# Allegro board SG2042_EVB_V1_1.brd (continued)
## Routing (per net, layer and track width the routed paths; a pad name or vN(x,y) marks a point on that pad's centre or on a via; arc(x,y) is an arc through that point) (continued)
DDR0_DQ60: length 67.8
  TOP w0.16: U1.BP51 v1(160.97,80.15)
  ART03 w0.089: 163.54,77.74 161.8,77.74 161.57,77.97 161.57,79.55 v1(160.97,80.15)
  ART03 w0.168: 163.54,77.74 164.61,76.67 168.35,72.93 170.07,72.93 177.09,65.9 177.09,63.11 177.71,62.49 177.95,62.49 178.4,62.94 178.64,62.94 178.93,62.65 178.93,62.41 178.48,61.96 178.48,61.72 178.78,61.42 179.01,61.42 179.47,61.88 179.7,61.88 180,61.58 180,61.34 179.55,60.89 179.55,60.65 179.84,60.35 180.08,60.35 180.53,60.81 180.77,60.81 181.07,60.51 181.07,60.27 180.61,59.82 180.61,59.58 183.62,56.58 186.88,56.58 187.05,56.75 187.05,57.59 187.21,57.76 187.63,57.76 187.8,57.59 187.8,56.75 187.97,56.58 188.39,56.58 188.56,56.75 188.56,57.59 188.72,57.76 189.14,57.76 189.31,57.59 189.31,56.75 189.48,56.58 195.08,56.58 arc(195.4,56.51) 195.67,56.33 196.08,55.92 arc(196.3,55.78) 196.55,55.73 196.95,55.73 arc(197.27,55.79) 197.54,55.97 197.85,56.29 arc(198.13,56.47) 198.45,56.53 198.92,56.53 arc(199.24,56.47) 199.51,56.29 199.88,55.92 arc(200.1,55.78) 200.35,55.73 201.09,55.73 arc(201.41,55.79) 201.68,55.97 202.04,56.33 arc(202.32,56.51) 202.64,56.58 205.58,56.58 arc(205.79,56.54) J1.128
DDR0_DQ61: length 66.8
  TOP w0.16: U1.BR51 v1(160.97,79.15)
  ART03 w0.089: v1(160.97,79.15) 161.38,78.74 161.38,77.89 161.72,77.55 162.9,77.55 163.11,77.34
  ART03 w0.168: 163.11,77.34 163.78,76.67 164.02,76.42 164.02,76.42 168.1,72.34 169.82,72.34 175.18,66.99 175.18,66.75 174.02,65.59 174.02,65.35 174.31,65.06 174.55,65.06 175.71,66.22 175.95,66.22 176.24,65.92 176.24,65.68 175.08,64.52 175.08,64.29 175.38,63.99 175.62,63.99 175.95,64.32 176.19,64.32 176.48,64.03 176.48,63.79 176.15,63.46 176.15,63.22 183.38,55.99 194.4,55.99 194.68,56.27 194.98,56.27 arc(195.23,56.22) 195.44,56.07 195.85,55.66 arc(196.13,55.48) 196.45,55.41 197.28,55.41 arc(197.6,55.48) 197.87,55.66 198.28,56.07 arc(198.5,56.22) 198.75,56.27 198.78,56.27 arc(199.03,56.22) 199.24,56.07 199.65,55.66 arc(199.93,55.48) 200.25,55.41 202.08,55.41 arc(202.4,55.48) 202.67,55.66 203.03,56.02 arc(203.31,56.2) 203.63,56.27 204.54,56.27 arc(204.87,56.2) 205.14,56.02 205.34,55.82 arc(205.61,55.64) 205.93,55.57 J1.273
DDR0_DQ62: length 67.8
  TOP w0.16: U1.BT48 v1(157.97,78.15)
  ART03 w0.168: J1.135 203.78,50.47 arc(203.46,50.41) 203.18,50.23 202.4,49.45 arc(202.13,49.26) 201.81,49.2 201.18,49.2 arc(201.02,49.17) 200.88,49.08 200.86,49.05 arc(200.72,48.96) 200.56,48.93 200.35,48.93 arc(200.1,48.98) 199.88,49.12 199.47,49.53 arc(199.2,49.71) 198.88,49.78 198.05,49.78 arc(197.73,49.71) 197.45,49.53 197.04,49.12 arc(196.83,48.98) 196.58,48.93 196.55,48.93 arc(196.3,48.98) 196.08,49.12 195.87,49.33 195.87,49.34 195.64,49.57 arc(195.41,49.72) 195.13,49.78 194.95,49.78 arc(194.7,49.83) 194.48,49.97 194.22,50.23 192.14,50.23 191.98,50.07 191.98,49.6 191.81,49.43 191.39,49.43 191.22,49.6 191.22,50.07 191.05,50.23 190.63,50.23 190.47,50.07 190.47,49.6 190.3,49.43 189.88,49.43 189.71,49.6 189.71,50.07 189.54,50.23 189.13,50.23 188.96,50.07 188.96,49.6 188.79,49.43 188.37,49.43 188.2,49.6 188.2,50.07 188.04,50.23 187.62,50.23 187.45,50.07 187.45,49.6 187.28,49.43 186.86,49.43 186.69,49.6 186.69,50.07 186.53,50.23 186.11,50.23 185.94,50.07 185.94,49.6 185.77,49.43 185.35,49.43 185.19,49.6 185.19,50.07 185.02,50.23 183.37,50.23 164.09,69.51 164.09,70.58 157.97,76.7 v1(157.97,78.15)
DDR0_DQ63: length 70.2
  TOP w0.16: U1.BR47 v1(156.97,79.15)
  ART03 w0.168: v1(156.97,79.15) 157.45,78.66 157.45,76.39 163.5,70.34 163.5,69.26 183.93,48.84 193.34,48.84 193.85,49.35 194.56,49.35 194.68,49.46 194.98,49.46 arc(195.23,49.42) 195.44,49.27 195.85,48.86 arc(196.13,48.68) 196.45,48.62 197.28,48.62 arc(197.6,48.68) 197.87,48.86 198.28,49.27 arc(198.5,49.42) 198.75,49.46 198.78,49.46 arc(199.03,49.42) 199.24,49.27 199.46,49.06 199.46,49.06 199.69,48.82 arc(199.92,48.67) 200.19,48.62 200.53,48.62 arc(200.7,48.58) 200.84,48.49 200.86,48.46 arc(201,48.37) 201.17,48.34 202.24,48.34 arc(202.56,48.4) 202.84,48.58 203.66,49.4 arc(203.9,49.56) 204.19,49.62 204.42,49.62 arc(204.71,49.56) 204.96,49.4 205.34,49.02 arc(205.61,48.84) 205.93,48.77 206.29,48.77 arc(206.61,48.84) 206.88,49.02 207.24,49.38 arc(207.51,49.56) 207.83,49.62 J1.280
DDR0_DQS0_N: length 97.4
  TOP w0.14: U1.AK53 v1(162.97,104.15)
  BOTTOM w0.109: 167.46,106.6 167.46,106.58 167.52,106.52 167.52,106.1 166.17,104.75 163.38,104.75 163.15,104.53 163.15,104.32 v1(162.97,104.15)
  BOTTOM w0.14: 167.46,106.6 167.46,145.9 185.25,163.69 194.99,163.69 arc(195.38,163.61) 195.72,163.38 196.06,163.04 arc(196.29,162.89) 196.55,162.84 196.88,162.84 arc(197.15,162.89) 197.37,163.04 197.72,163.38 arc(198.05,163.61) 198.45,163.69 198.78,163.69 arc(199.17,163.61) 199.51,163.38 199.85,163.04 arc(200.08,162.89) 200.35,162.84 201.58,162.84 arc(201.85,162.89) 202.07,163.04 202.42,163.38 arc(202.75,163.61) 203.14,163.69 204.39,163.69 arc(204.78,163.61) 205.12,163.38 205.46,163.04 arc(205.69,162.89) 205.95,162.84 206.28,162.84 arc(206.55,162.89) 206.77,163.04 207.12,163.39 arc(207.45,163.61) 207.84,163.69 208.57,163.69 arc(208.57,163.69) 208.57,163.69 arc(208.57,163.69) 208.57,163.69 208.77,163.69 arc(208.83,163.68) 208.89,163.68 J1.152
DDR0_DQS0_P: length 97.3
  TOP w0.14: U1.AK54 v1(163.97,104.15)
  BOTTOM w0.109: 167.79,106.6 167.79,106.58 167.73,106.52 167.73,106.01 166.26,104.54 163.46,104.54 163.36,104.44 163.36,104.26 163.47,104.15 v1(163.97,104.15)
  BOTTOM w0.14: J1.153 208.72,162.97 arc(208.81,163.08) 208.8,163.21 208.8,163.22 arc(208.71,163.32) 208.57,163.36 207.84,163.36 arc(207.58,163.3) 207.35,163.15 207.01,162.81 arc(206.67,162.58) 206.28,162.51 205.95,162.51 arc(205.56,162.58) 205.23,162.81 204.88,163.15 arc(204.66,163.3) 204.39,163.36 203.14,163.36 arc(202.88,163.3) 202.65,163.15 202.31,162.81 arc(201.97,162.58) 201.58,162.51 200.35,162.51 arc(199.95,162.58) 199.62,162.81 199.27,163.15 arc(199.05,163.3) 198.78,163.36 198.45,163.36 arc(198.18,163.3) 197.95,163.15 197.61,162.81 arc(197.27,162.58) 196.88,162.51 196.55,162.51 arc(196.16,162.58) 195.83,162.81 195.48,163.15 arc(195.25,163.3) 194.99,163.36 185.38,163.36 167.79,145.76 167.79,106.6
DDR0_DQS1_N: length 89.4
  TOP w0.14: U1.AR54 v1(163.97,99.15)
  BOTTOM w0.109: v1(163.97,99.15) 163.61,99.15 163.5,99.26 163.5,99.42 163.61,99.53 166.3,99.53 167.2,100.43 167.81,100.43 167.87,100.37 167.89,100.37
  BOTTOM w0.14: 167.89,100.37 169.86,100.37 173.39,103.91 173.39,131.71 192.11,150.43 192.11,151.21 194.05,153.16 194.98,153.16 arc(195.25,153.1) 195.47,152.95 195.82,152.61 arc(196.15,152.38) 196.55,152.31 196.88,152.31 arc(197.27,152.38) 197.61,152.61 197.95,152.95 arc(198.18,153.1) 198.45,153.16 198.78,153.16 arc(199.05,153.1) 199.27,152.95 199.62,152.61 arc(199.95,152.38) 200.35,152.31 201.58,152.31 arc(201.97,152.38) 202.31,152.61 202.65,152.95 arc(202.88,153.1) 203.14,153.16 204.38,153.16 arc(204.77,153.23) 205.11,153.46 205.45,153.8 arc(205.68,153.95) 205.94,154.01 206.31,154.01 arc(206.7,154.08) 207.04,154.31 207.38,154.65 arc(207.61,154.8) 207.88,154.86 208.15,154.86 arc(208.42,154.8) 208.64,154.65 209.1,154.2 arc(209.17,154.06) 209.14,153.91 209.12,153.86 arc(209.02,153.78) 208.88,153.79 J1.163
DDR0_DQS1_P: length 89.5
  TOP w0.14: U1.AR53 v1(162.97,99.15)
  BOTTOM w0.109: v1(162.97,99.15) 162.97,99.19 163.53,99.75 166.22,99.75 167.12,100.64 167.81,100.64 167.87,100.7 167.89,100.7
  BOTTOM w0.14: J1.164 209.5,154.15 arc(209.43,154.3) 209.33,154.43 208.88,154.89 arc(208.54,155.11) 208.15,155.19 207.88,155.19 arc(207.48,155.11) 207.15,154.89 206.8,154.54 arc(206.58,154.39) 206.31,154.34 205.94,154.34 arc(205.55,154.26) 205.22,154.03 204.87,153.69 arc(204.65,153.54) 204.38,153.49 203.14,153.49 arc(202.75,153.41) 202.42,153.19 202.07,152.84 arc(201.85,152.69) 201.58,152.64 200.35,152.64 arc(200.08,152.69) 199.85,152.84 199.51,153.19 arc(199.17,153.41) 198.78,153.49 198.45,153.49 arc(198.05,153.41) 197.72,153.19 197.37,152.84 arc(197.15,152.69) 196.88,152.64 196.55,152.64 arc(196.28,152.69) 196.05,152.84 195.71,153.19 arc(195.37,153.41) 194.98,153.49 193.92,153.49 191.78,151.35 191.78,150.57 173.06,131.85 173.06,104.04 169.72,100.7 167.89,100.7
DDR0_DQS2_N: length 77.5
  TOP w0.14: U1.AJ51 v1(160.97,105.15)
  ART03 w0.109: v1(160.97,105.15) 161.16,105.33 161.16,105.51 161.4,105.75 166.59,105.75 167.6,106.77 167.6,106.83 167.68,106.91
  ART03 w0.145: 167.68,106.91 171.26,110.49 171.26,127.03 189.19,144.95 194.98,144.95 arc(195.36,144.88) 195.68,144.66 196.03,144.32 arc(196.27,144.16) 196.54,144.1 196.88,144.1 arc(197.16,144.16) 197.4,144.32 197.74,144.66 arc(198.06,144.88) 198.44,144.95 198.78,144.95 arc(199.16,144.88) 199.48,144.66 199.83,144.32 arc(200.07,144.16) 200.34,144.1 201.46,144.1 arc(201.74,144.16) 201.98,144.32 202.32,144.66 arc(202.65,144.88) 203.02,144.95 204.38,144.95 arc(204.76,144.88) 205.08,144.66 205.43,144.32 arc(205.66,144.16) 205.94,144.1 206.28,144.1 arc(206.56,144.16) 206.79,144.32 207.14,144.66 arc(207.46,144.88) 207.84,144.95 208.76,144.95 arc(208.81,144.95) 208.86,144.95 J1.174
DDR0_DQS2_P: length 77.5
  TOP w0.14: U1.AJ52 v1(161.97,105.15)
  ART03 w0.109: 167.87,106.72 167.85,106.7 167.84,106.7 166.67,105.54 161.48,105.54 161.37,105.43 161.37,105.26 161.48,105.15 v1(161.97,105.15)
  ART03 w0.145: J1.175 208.67,144.24 arc(208.79,144.38) 208.77,144.56 arc(208.68,144.66) 208.56,144.69 207.84,144.69 arc(207.56,144.63) 207.33,144.48 206.98,144.13 arc(206.66,143.91) 206.28,143.84 205.94,143.84 arc(205.56,143.91) 205.24,144.13 204.89,144.48 arc(204.66,144.63) 204.38,144.69 203.02,144.69 arc(202.75,144.63) 202.51,144.48 202.16,144.13 arc(201.84,143.91) 201.46,143.84 200.34,143.84 arc(199.96,143.91) 199.64,144.13 199.3,144.48 arc(199.06,144.63) 198.78,144.69 198.44,144.69 arc(198.17,144.63) 197.93,144.48 197.58,144.13 arc(197.26,143.91) 196.88,143.84 196.54,143.84 arc(196.16,143.91) 195.84,144.13 195.5,144.48 arc(195.26,144.63) 194.98,144.69 189.3,144.69 171.53,126.92 171.53,110.38 167.87,106.72
DDR0_DQS3_N: length 77.5
  TOP w0.14: U1.AR50 v1(159.97,99.15)
  ART03 w0.109: v1(159.97,99.15) 159.51,99.15 159.4,99.26 159.4,99.43 159.51,99.54 166.93,99.54 167.62,98.84 167.93,98.84 167.95,98.82 167.98,98.82
  ART03 w0.145: 167.98,98.82 170.47,98.82 178.96,107.3 178.96,118.94 184.55,124.53 184.55,126.31 192.73,134.49 194.98,134.49 arc(195.26,134.43) 195.49,134.28 195.84,133.93 arc(196.16,133.71) 196.54,133.64 196.88,133.64 arc(197.26,133.71) 197.58,133.93 197.93,134.28 arc(198.17,134.43) 198.44,134.49 198.78,134.49 arc(199.06,134.43) 199.3,134.28 199.64,133.93 arc(199.96,133.71) 200.34,133.64 201.58,133.64 arc(201.96,133.71) 202.28,133.93 202.62,134.27 arc(202.86,134.43) 203.13,134.48 204.37,134.48 arc(204.75,134.56) 205.07,134.77 205.43,135.13 arc(205.66,135.28) 205.94,135.34 206.28,135.34 arc(206.66,135.41) 206.98,135.63 207.33,135.98 arc(207.56,136.13) 207.84,136.19 208.18,136.19 arc(208.46,136.13) 208.69,135.98 209.11,135.56 arc(209.18,135.43) 209.15,135.29 arc(208.97,135.14) 208.74,135.16 J1.185
DDR0_DQS3_P: length 77.5
  TOP w0.14: U1.AR49 v1(158.97,99.15)
  ART03 w0.109: 167.98,99.08 167.95,99.08 167.93,99.05 167.71,99.05 167.01,99.75 159.43,99.75 159.19,99.52 159.19,99.37 v1(158.97,99.15)
  ART03 w0.145: J1.186 209.47,135.47 arc(209.4,135.62) 209.3,135.74 208.88,136.16 arc(208.56,136.38) 208.18,136.45 207.84,136.45 arc(207.46,136.38) 207.14,136.16 206.79,135.82 arc(206.56,135.66) 206.28,135.6 205.94,135.6 arc(205.56,135.53) 205.24,135.31 204.89,134.96 arc(204.65,134.8) 204.37,134.75 203.13,134.75 arc(202.76,134.67) 202.44,134.46 202.09,134.12 arc(201.86,133.96) 201.58,133.9 200.34,133.9 arc(200.07,133.96) 199.83,134.12 199.48,134.46 arc(199.16,134.68) 198.78,134.75 198.44,134.75 arc(198.06,134.68) 197.74,134.46 197.4,134.12 arc(197.16,133.96) 196.88,133.9 196.54,133.9 arc(196.27,133.96) 196.03,134.12 195.68,134.46 arc(195.36,134.68) 194.98,134.75 192.62,134.75 184.29,126.42 184.29,124.64 178.7,119.05 178.7,107.41 170.36,99.08 167.98,99.08
DDR0_DQS4_N: length 49.2
  TOP w0.14: U1.BK56 v1(165.97,84.15)
  BOTTOM w0.109: 167.23,83.36 167.21,83.38 167.13,83.38 166.76,83.75 165.46,83.75 165.34,83.87 165.34,84.04 165.48,84.17 165.95,84.17 v1(165.97,84.15)
  BOTTOM w0.14: J1.244 208.9,80.38 arc(208.83,80.38) 208.77,80.39 207.84,80.39 arc(207.45,80.31) 207.12,80.09 206.77,79.74 arc(206.55,79.59) 206.28,79.54 205.94,79.54 arc(205.68,79.59) 205.45,79.74 205.11,80.09 arc(204.77,80.31) 204.38,80.39 203.14,80.39 arc(202.75,80.31) 202.42,80.09 202.07,79.74 arc(201.85,79.59) 201.58,79.54 200.35,79.54 arc(200.08,79.59) 199.85,79.74 199.21,80.38 199.18,80.38 199.18,80.39 198.45,80.39 arc(198.05,80.31) 197.72,80.09 197.37,79.74 arc(197.15,79.59) 196.88,79.54 196.55,79.54 arc(196.28,79.59) 196.05,79.74 195.71,80.09 arc(195.37,80.31) 194.98,80.39 186.26,80.39 183.48,83.17 167.43,83.17 167.23,83.36
DDR0_DQS4_P: length 49.1
  TOP w0.14: U1.BK55 v1(164.97,84.15)
  BOTTOM w0.109: 167,83.13 166.9,83.23 166.9,83.31 166.67,83.54 165.37,83.54 165.13,83.78 165.13,83.99 v1(164.97,84.15)
  BOTTOM w0.14: 167,83.13 167.29,82.84 183.34,82.84 186.12,80.06 194.98,80.06 arc(195.25,80) 195.47,79.85 195.82,79.51 arc(196.15,79.28) 196.55,79.21 196.88,79.21 arc(197.27,79.28) 197.61,79.51 197.95,79.85 arc(198.18,80) 198.45,80.06 199.04,80.06 199.05,80.05 199.08,80.05 199.62,79.51 arc(199.95,79.28) 200.35,79.21 201.58,79.21 arc(201.97,79.28) 202.31,79.51 202.65,79.85 arc(202.88,80) 203.14,80.06 204.38,80.06 arc(204.65,80) 204.87,79.85 205.22,79.51 arc(205.55,79.28) 205.94,79.21 206.28,79.21 arc(206.67,79.28) 207.01,79.51 207.35,79.85 arc(207.58,80) 207.84,80.06 208.62,80.06 arc(208.71,80.03) 208.78,79.96 208.8,79.92 arc(208.82,79.78) 208.73,79.67 J1.245
DDR0_DQS5_N: length 56.8
  TOP w0.14: U1.BP53 v1(162.97,80.15)
  BOTTOM w0.109: 163.97,76.62 163.97,76.71 163.37,77.32 163.37,80.41 163.25,80.52 163.08,80.52 162.97,80.42 v1(162.97,80.15)
  BOTTOM w0.14: J1.255 208.87,70.5 arc(209.01,70.48) 209.13,70.58 209.15,70.62 arc(209.18,70.78) 209.1,70.92 208.67,71.35 arc(208.45,71.5) 208.18,71.56 207.84,71.56 arc(207.58,71.5) 207.35,71.35 207.01,71.01 arc(206.67,70.78) 206.28,70.71 205.94,70.71 arc(205.68,70.65) 205.45,70.5 205.1,70.15 arc(204.77,69.93) 204.37,69.85 203.14,69.85 arc(202.87,69.8) 202.65,69.65 202.31,69.31 arc(201.97,69.08) 201.58,69.01 200.35,69.01 arc(199.95,69.08) 199.62,69.31 199.27,69.65 arc(199.05,69.8) 198.78,69.86 198.45,69.86 arc(198.18,69.8) 197.95,69.65 197.61,69.31 arc(197.27,69.08) 196.88,69.01 196.55,69.01 arc(196.15,69.08) 195.82,69.31 195.47,69.65 arc(195.25,69.8) 194.98,69.86 176.66,69.86 170.81,75.7 164.89,75.7 163.97,76.62
DDR0_DQS5_P: length 56.7
  TOP w0.14: U1.BN53 v1(162.97,81.15)
  BOTTOM w0.109: v1(162.97,81.15) 162.97,80.84 163.08,80.74 163.34,80.74 163.58,80.5 163.58,77.4 164.1,76.88 164.19,76.88 164.21,76.86
  BOTTOM w0.14: 164.21,76.86 165.03,76.03 170.94,76.03 176.79,70.19 194.98,70.19 arc(195.37,70.11) 195.71,69.89 196.05,69.54 arc(196.28,69.39) 196.55,69.34 196.88,69.34 arc(197.15,69.39) 197.37,69.54 197.72,69.89 arc(198.05,70.11) 198.45,70.19 198.78,70.19 arc(199.17,70.11) 199.51,69.89 199.85,69.54 arc(200.08,69.39) 200.35,69.34 201.58,69.34 arc(201.85,69.39) 202.07,69.54 202.41,69.88 arc(202.75,70.1) 203.14,70.18 204.37,70.18 arc(204.64,70.23) 204.87,70.39 205.22,70.74 arc(205.55,70.96) 205.94,71.04 206.28,71.04 arc(206.55,71.09) 206.77,71.24 207.12,71.59 arc(207.45,71.81) 207.84,71.89 208.18,71.89 arc(208.57,71.81) 208.91,71.59 209.33,71.16 arc(209.44,71.02) 209.51,70.86 J1.256
DDR0_DQS6_N: length 64.4
  TOP w0.14: U1.BK52 v1(161.97,84.15)
  ART03 w0.109: v1(161.97,84.15) 161.62,84.15 161.51,84.26 161.51,84.43 161.62,84.54 165.14,84.54 165.36,84.32 165.36,81.89 165.7,81.54 166.23,81.54 167.08,80.69 167.42,80.69 167.45,80.67 167.47,80.67
  ART03 w0.145: J1.266 209.47,60.68 arc(209.4,60.53) 209.3,60.4 208.88,59.98 arc(208.56,59.76) 208.18,59.69 207.75,59.69 arc(207.47,59.74) 207.24,59.9 207.14,60 arc(206.98,60.23) 206.93,60.51 206.93,61.7 arc(206.89,61.88) 206.79,62.03 206.72,62.1 arc(206.57,62.2) 206.39,62.24 205.94,62.24 arc(205.56,62.31) 205.24,62.53 204.9,62.87 arc(204.66,63.03) 204.39,63.08 203.36,63.08 arc(203.08,63.03) 202.85,62.87 202.5,62.53 arc(202.18,62.31) 201.8,62.24 200.23,62.24 arc(199.96,62.29) 199.72,62.45 199.29,62.88 arc(199.06,63.03) 198.78,63.09 198.44,63.09 arc(198.17,63.03) 197.93,62.88 197.58,62.53 arc(197.26,62.31) 196.88,62.24 196.54,62.24 arc(196.16,62.31) 195.84,62.53 195.5,62.88 arc(195.26,63.03) 194.98,63.09 190.68,63.09 173.11,80.67 167.47,80.67
DDR0_DQS6_P: length 64.4
  TOP w0.14: U1.BK51 v1(160.97,84.15)
  ART03 w0.109: v1(160.97,84.15) 161.3,84.47 161.3,84.52 161.53,84.75 165.23,84.75 165.57,84.41 165.57,81.97 165.79,81.75 166.32,81.75 167.17,80.9 167.42,80.9 167.45,80.93 167.47,80.93
  ART03 w0.145: 167.47,80.93 173.22,80.93 190.79,63.35 194.98,63.35 arc(195.36,63.28) 195.68,63.06 196.03,62.72 arc(196.27,62.56) 196.54,62.5 196.88,62.5 arc(197.16,62.56) 197.4,62.72 197.74,63.06 arc(198.06,63.28) 198.44,63.35 198.89,63.35 arc(199.17,63.3) 199.41,63.14 199.83,62.72 arc(200.07,62.56) 200.34,62.5 201.8,62.5 arc(202.08,62.56) 202.32,62.72 202.66,63.06 arc(202.98,63.27) 203.36,63.35 204.39,63.35 arc(204.77,63.27) 205.09,63.06 205.43,62.72 arc(205.66,62.56) 205.94,62.5 206.39,62.5 arc(206.67,62.45) 206.9,62.29 206.98,62.21 arc(207.14,61.98) 207.19,61.7 207.19,60.51 arc(207.23,60.33) 207.33,60.19 207.42,60.09 arc(207.57,59.99) 207.75,59.95 208.18,59.95 arc(208.46,60.01) 208.69,60.17 209.11,60.58 arc(209.17,60.71) 209.15,60.86 209.15,60.87 arc(208.98,61.01) 208.76,60.99 J1.267
DDR0_DQS7_N: length 69.1
  TOP w0.14: U1.BN48 v1(157.97,81.15)
  ART03 w0.109: 159.92,76.29 159.9,76.31 159.86,76.31 158.58,77.6 158.58,80.5 158.35,80.73 157.99,80.73 157.88,80.84 157.88,81.06 v1(157.97,81.15)
  ART03 w0.145: J1.277 208.67,51.9 arc(208.79,51.76) 208.77,51.57 arc(208.7,51.5) 208.6,51.47 207.8,51.47 arc(207.52,51.53) 207.29,51.68 206.98,51.99 arc(206.66,52.21) 206.28,52.28 205.96,52.28 arc(205.59,52.21) 205.26,51.99 204.95,51.68 arc(204.72,51.53) 204.44,51.47 203.38,51.47 arc(203,51.4) 202.68,51.18 202.29,50.79 arc(202.06,50.64) 201.78,50.58 200.36,50.58 arc(200.08,50.64) 199.85,50.79 199.46,51.18 arc(199.14,51.4) 198.76,51.47 198.42,51.47 arc(198.04,51.4) 197.72,51.18 197.36,50.82 arc(197.12,50.66) 196.85,50.61 196.57,50.61 arc(196.3,50.66) 196.06,50.82 195.73,51.16 arc(195.4,51.37) 195.03,51.45 183.7,51.45 165.18,69.96 165.18,71.03 159.92,76.29
DDR0_DQS7_P: length 69
  TOP w0.14: U1.BP48 v1(157.97,80.15)
  ART03 w0.109: 159.73,76.11 159.71,76.13 159.71,76.16 158.37,77.51 158.37,80.41 158.26,80.52 158.08,80.52 157.97,80.41 v1(157.97,80.15)
  ART03 w0.145: J1.278 208.78,51.21 arc(208.74,51.21) 208.7,51.21 208.6,51.21 arc(208.6,51.21) 208.6,51.21 207.8,51.21 arc(207.42,51.28) 207.1,51.5 206.79,51.81 arc(206.56,51.96) 206.28,52.02 205.96,52.02 arc(205.69,51.96) 205.45,51.81 205.14,51.5 arc(204.82,51.28) 204.44,51.21 203.38,51.21 arc(203.1,51.15) 202.87,50.99 202.48,50.61 arc(202.16,50.39) 201.78,50.32 200.36,50.32 arc(199.98,50.39) 199.66,50.61 199.27,50.99 arc(199.04,51.15) 198.76,51.21 198.42,51.21 arc(198.14,51.15) 197.91,50.99 197.55,50.63 arc(197.23,50.42) 196.85,50.34 196.57,50.34 arc(196.2,50.42) 195.87,50.63 195.54,50.97 arc(195.3,51.13) 195.03,51.18 183.59,51.18 164.92,69.85 164.92,70.92 159.73,76.11
DDR0_ECC_DM_N: length 68
  TOP w0.14: U1.AY53 v1(162.97,94.15)
  BOTTOM w0.109: 168.39,96.11 168.37,96.11 168.31,96.05 166.84,96.05 166.54,95.75 163.62,95.75 163.37,95.5 163.37,94.61 v1(162.97,94.15)
  BOTTOM w0.14: J1.52 205.71,126.96 arc(205.65,127.11) 205.56,127.23 arc(205.54,127.25) 205.53,127.26 arc(205.53,127.26) 205.53,127.27 205.11,127.68 arc(204.77,127.91) 204.38,127.99 203.14,127.99 arc(202.75,127.91) 202.42,127.69 202.07,127.34 arc(201.85,127.19) 201.58,127.14 200.35,127.14 arc(200.08,127.19) 199.85,127.34 199.51,127.69 arc(199.17,127.91) 198.78,127.99 198.45,127.99 arc(198.05,127.91) 197.72,127.69 197.37,127.34 arc(197.15,127.19) 196.88,127.14 196.55,127.14 arc(196.28,127.19) 196.05,127.34 195.71,127.69 arc(195.37,127.91) 194.98,127.99 193.61,127.99 193.19,127.56 192.99,127.56 192.53,128.02 192.06,128.02 191.47,127.43 191.47,126.96 191.93,126.5 191.93,126.3 177.63,112.01 177.63,101.95 171.79,96.11 168.39,96.11
DDR0_ECC_DM_P: length 67.9
  TOP w0.14: U1.AY54 v1(163.97,94.15)
  BOTTOM w0.109: v1(163.97,94.15) 163.69,94.15 163.58,94.26 163.58,94.49 163.69,94.6 163.69,94.84 163.58,94.95 163.58,95.41 163.71,95.54 166.63,95.54 166.92,95.84 168.31,95.84 168.37,95.78 168.39,95.78
  BOTTOM w0.14: J1.51 205.06,126.6 arc(205.22,126.58) 205.34,126.69 205.34,126.69 arc(205.38,126.87) 205.29,127.03 204.87,127.45 arc(204.65,127.6) 204.38,127.66 203.14,127.66 arc(202.88,127.6) 202.65,127.45 202.31,127.11 arc(201.97,126.88) 201.58,126.81 200.35,126.81 arc(199.95,126.88) 199.62,127.11 199.27,127.45 arc(199.05,127.6) 198.78,127.66 198.45,127.66 arc(198.18,127.6) 197.95,127.45 197.61,127.11 arc(197.27,126.88) 196.88,126.81 196.55,126.81 arc(196.15,126.88) 195.82,127.11 195.47,127.45 arc(195.25,127.6) 194.98,127.66 193.75,127.66 193.32,127.23 192.85,127.23 192.39,127.69 192.19,127.69 191.8,127.3 191.8,127.1 192.26,126.64 192.26,126.17 177.96,111.87 177.96,101.81 171.92,95.78 168.39,95.78
DDR0_ECC_DQ0: length 68
  TOP w0.16: U1.AV55 v1(164.97,96.15)
  BOTTOM w0.114: v1(164.97,96.15) 165.36,96.53 166.41,96.53 166.74,96.86 171.47,96.86 176.94,102.33 176.94,113.25 186.89,123.19 187.58,123.19
  BOTTOM w0.16: 187.58,123.19 188.49,124.1 188.49,124.33 188.22,124.6 188.22,124.82 188.5,125.11 188.73,125.11 189,124.84 189.23,124.84 189.51,125.12 189.51,125.34 188.44,126.42 188.44,126.64 188.72,126.92 188.95,126.92 190.02,125.85 190.25,125.85 190.53,126.14 190.53,126.36 189.46,127.43 189.46,127.66 190.69,128.89 194.21,128.89 194.68,129.36 194.97,129.36 arc(195.23,129.31) 195.45,129.16 195.86,128.75 arc(196.12,128.57) 196.43,128.51 197.3,128.51 arc(197.6,128.57) 197.86,128.75 198.29,129.17 arc(198.5,129.31) 198.75,129.36 198.78,129.36 arc(199.03,129.31) 199.24,129.17 199.66,128.75 arc(199.92,128.57) 200.23,128.51 202.02,128.51 arc(202.26,128.56) 202.47,128.7 202.49,128.72 arc(202.7,128.86) 202.94,128.91 203.8,128.91 arc(204.1,128.84) J1.49
DDR0_ECC_DQ1: length 71.4
  TOP w0.16: U1.AV53 v1(162.97,96.15)
  BOTTOM w0.089: v1(162.97,96.15) 163.6,96.77 166.24,96.77 166.7,97.23 171.32,97.23 176.58,102.49 176.58,113.4 186.73,123.56 186.93,123.56 187.07,123.7
  BOTTOM w0.16: 187.07,123.7 187.49,124.12 187.49,126.76 190.61,129.88 194.48,129.88 194.68,129.68 195.1,129.68 arc(195.4,129.62) 195.66,129.45 196.09,129.02 arc(196.3,128.88) 196.55,128.83 196.58,128.83 arc(196.83,128.88) 197.04,129.02 197.46,129.45 arc(197.72,129.62) 198.03,129.68 199.23,129.68 199.88,129.03 arc(200.1,128.88) 200.36,128.83 201.45,128.83 arc(201.75,128.89) 202.01,129.07 202.48,129.53 arc(202.74,129.71) 203.04,129.77 203.71,129.77 arc(203.86,129.74) 203.98,129.66 204,129.63 arc(204.13,129.55) 204.27,129.52 204.44,129.52 arc(204.71,129.47) 204.94,129.31 205.35,128.91 arc(205.61,128.73) 205.92,128.67 206.3,128.67 arc(206.61,128.61) 206.87,128.44 207.25,128.06 arc(207.51,127.88) 207.82,127.82 J1.194
DDR0_ECC_DQ2: length 66.6
  TOP w0.16: U1.BA55 v1(164.97,93.15)
  BOTTOM w0.089: v1(164.97,93.15) 165.35,93.52 166.68,93.52 167,93.2 172.99,93.2 180.4,100.6 180.4,109.83 182.48,111.91 182.73,111.91
  BOTTOM w0.16: 182.73,111.91 182.94,112.12 184.21,112.12 189.99,117.91 189.99,118.13 189.58,118.54 189.58,118.77 189.87,119.05 190.09,119.05 190.52,118.62 190.75,118.62 191.03,118.9 191.03,119.13 190.6,119.56 190.6,119.78 190.88,120.07 191.11,120.07 191.54,119.64 191.77,119.64 192.05,119.92 192.05,120.14 191.62,120.58 191.62,120.81 191.9,121.09 192.13,121.09 192.56,120.66 192.79,120.66 193.07,120.94 193.07,121.17 192.64,121.6 192.64,121.83 193.89,123.08 194.48,123.08 194.68,122.88 195.11,122.88 arc(195.4,122.82) 195.65,122.66 196.09,122.22 arc(196.3,122.08) 196.55,122.03 196.58,122.03 arc(196.83,122.08) 197.04,122.22 197.46,122.65 arc(197.72,122.82) 198.03,122.88 198.9,122.88 arc(199.2,122.82) 199.46,122.65 199.88,122.23 arc(200.1,122.08) 200.36,122.03 201.2,122.03 arc(201.5,122.09) 201.76,122.27 202.15,122.65 arc(202.41,122.82) 202.71,122.88 205.57,122.88 arc(205.78,122.84) J1.56
DDR0_ECC_DQ3: length 65.4
  TOP w0.16: U1.BA56 v1(165.97,93.15)
  BOTTOM w0.114: v1(165.97,93.15) 166.64,93.15 166.96,92.83 173.15,92.83 180.77,100.45 180.77,109.68 182.49,111.4 183.24,111.4
  BOTTOM w0.16: 183.24,111.4 184.56,111.4 184.96,111.81 185.19,111.81 185.54,111.47 185.76,111.47 186.05,111.75 186.05,111.98 185.7,112.32 185.7,112.55 185.98,112.83 186.21,112.83 186.55,112.49 186.78,112.49 187.06,112.77 187.06,112.99 186.72,113.34 186.72,113.57 193.9,120.75 193.9,122.07 194.19,122.36 194.48,122.36 194.68,122.56 194.98,122.56 arc(195.23,122.51) 195.44,122.37 195.86,121.95 arc(196.12,121.77) 196.43,121.71 197.3,121.71 arc(197.6,121.77) 197.86,121.95 198.29,122.37 arc(198.5,122.51) 198.75,122.56 198.78,122.56 arc(199.03,122.51) 199.24,122.37 199.66,121.95 arc(199.92,121.77) 200.23,121.71 202.01,121.71 arc(202.32,121.77) 202.58,121.95 202.96,122.33 arc(203.22,122.5) 203.52,122.56 204.56,122.56 arc(204.87,122.5) 205.13,122.33 205.35,122.11 arc(205.61,121.93) 205.92,121.87 J1.201
DDR0_ECC_DQ4: length 68